# KiCad board SparkFun_GNSS_Flex_Breakout_panelized.kicad_pcb (continued)
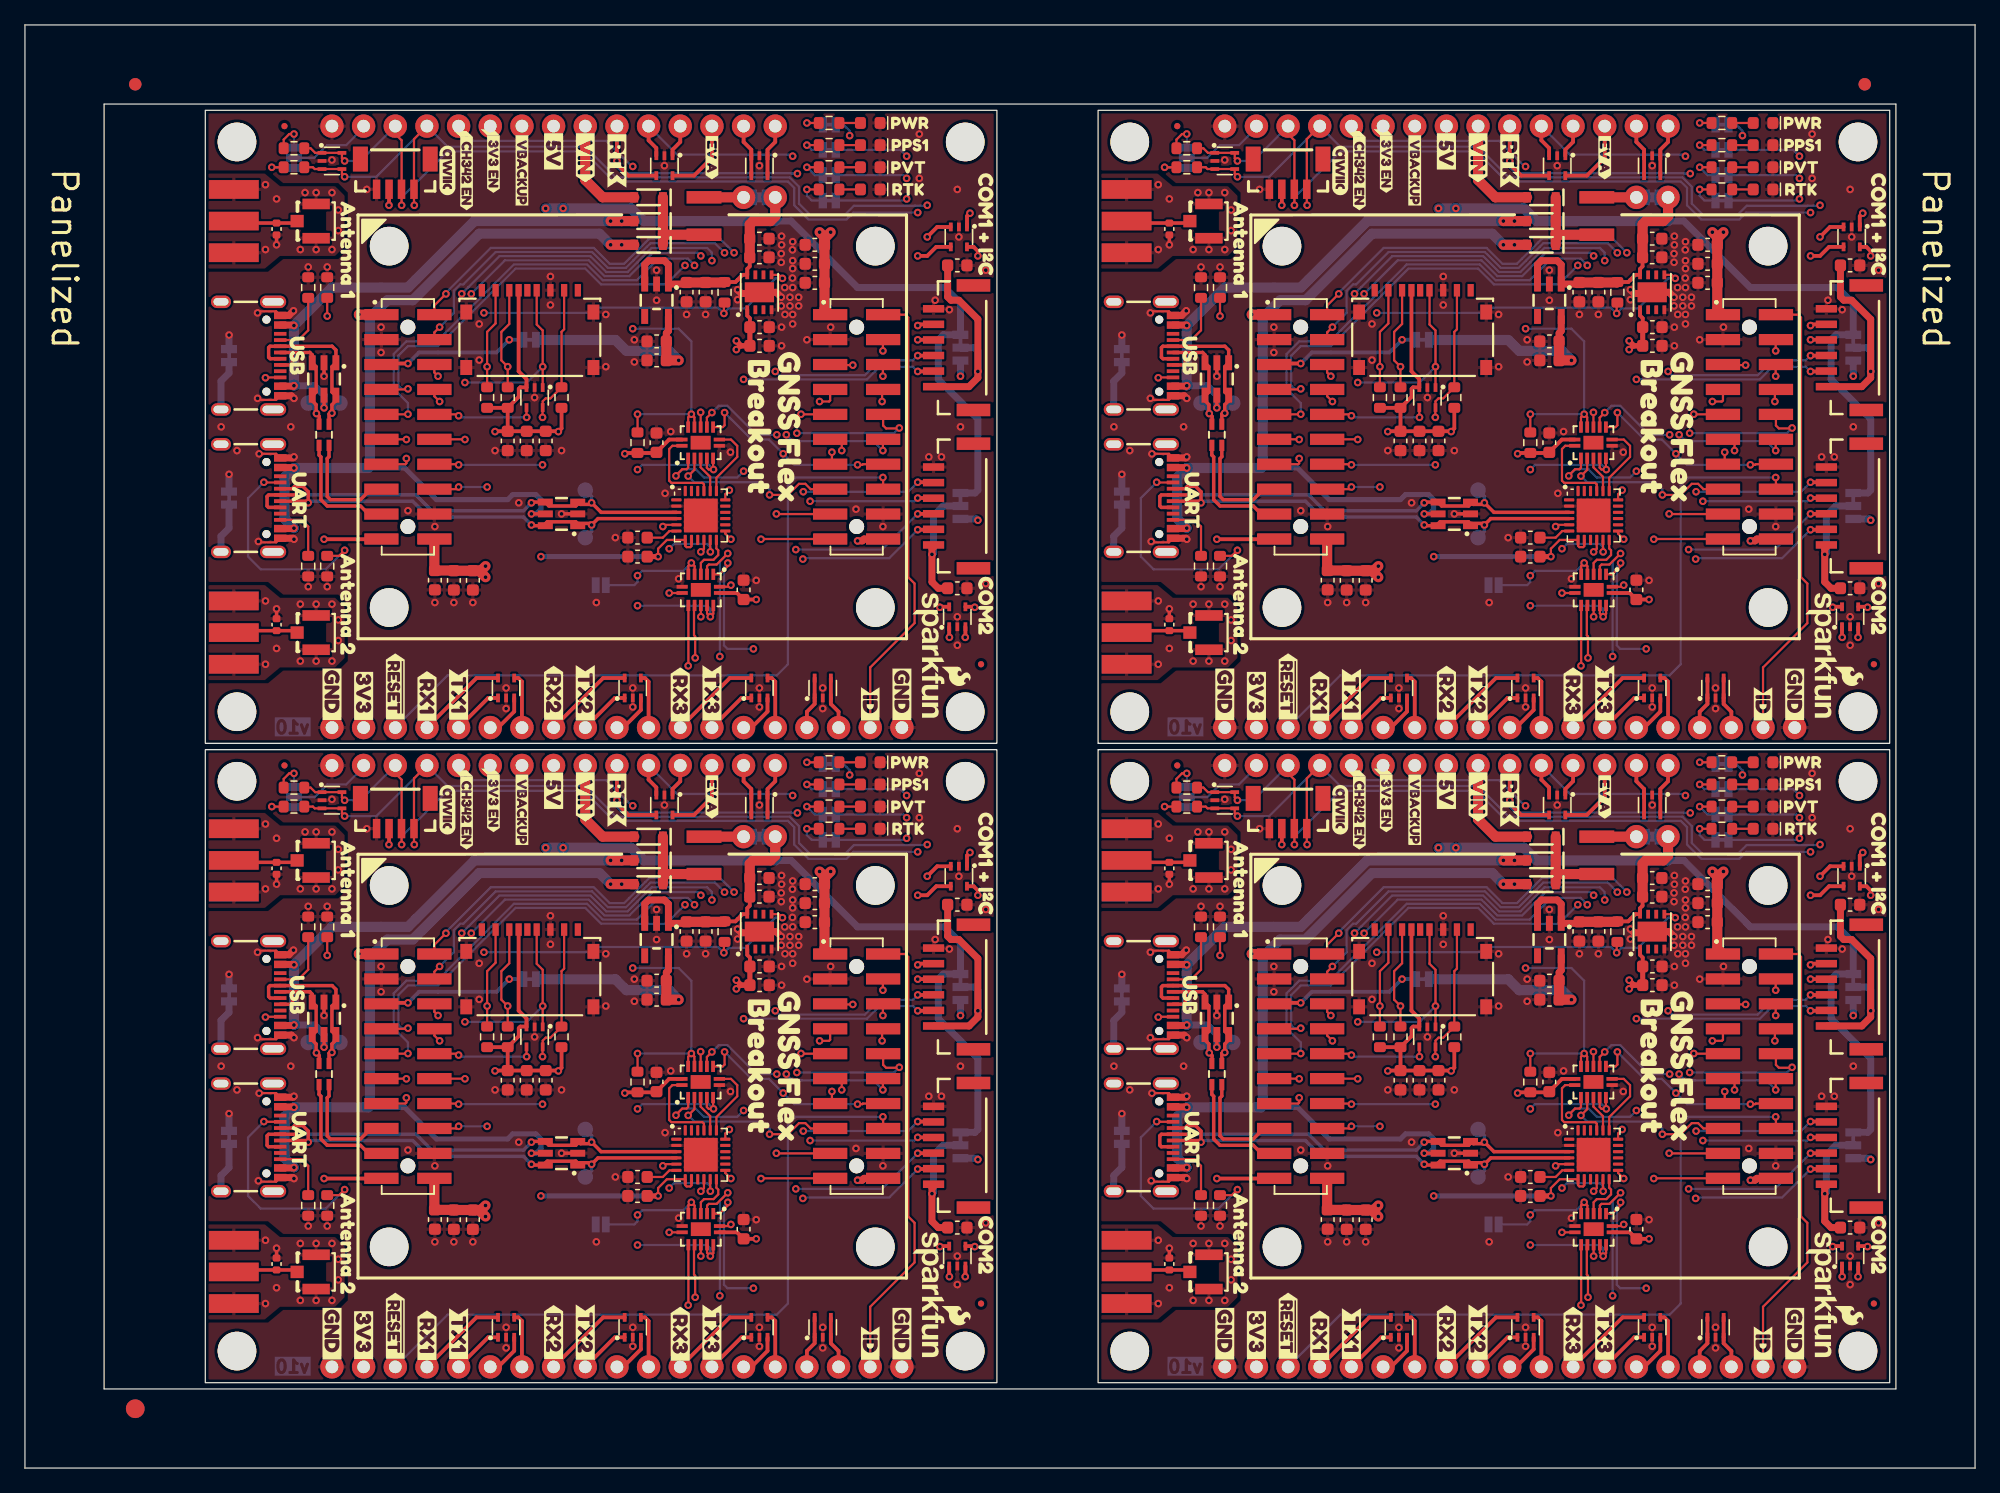
[diagram p0: board, top side]
## Routing (per net, layer and track width the routed paths; a pad name or vN(x,y) marks a point on that pad's centre or on a via; arc(x,y) is an arc through that point) (continued)
VIN: length 35.3
  Top w0.813: D19#2.2 46.35,50.67 44.95,52.06 J3.9 ; D19#3.2 117.97,101.97 116.57,103.36 J3#3.9 ; D19.2 117.97,50.67 116.57,52.06 J3#2.9 ; D19#4.2 46.35,101.97 44.95,103.36 J3#4.9
CH342_EN: length 359.7
  Top w0.178: U5#4.12 54.72,68.57 v1(54.98,68.31) 55.22,68.55 U5#4.13 ; U3#2.12 125.33,33.02 v1(125.08,33.27) 124.83,33.01 U3#2.13 ; U3#3.5 54.71,28.97 54.86,28.82 v1(55.24,28.82) 55.21,28.85 U3#3.6 ; U3#4.5 54.71,80.27 54.86,80.12 v1(55.24,80.12) 55.21,80.15 U3#4.6 ; R5.1 v1(120.76,33.27) ; R5#2.1 v1(120.76,84.57) ; U3.6 126.83,80.15 v1(126.86,80.12) 126.48,80.12 126.33,80.27 U3.5 ; U3#2.5 126.33,28.97 126.48,28.82 v1(126.86,28.82) 126.83,28.85 U3#2.6 ; U5#4.5 53.72,72.37 v1(53.46,72.63) 53.22,72.39 U5#4.6 ; U3.13 124.83,84.31 v1(125.08,84.57) 125.33,84.32 U3.12 ; U3#3.13 53.21,33.01 v1(53.46,33.27) 53.71,33.02 U3#3.12 ; U5#3.12 126.34,17.27 v1(126.6,17.01) 126.84,17.25 U5#3.13 ; U3#4.12 53.71,84.32 v1(53.46,84.57) 53.21,84.31 U3#4.13 ; U5.12 126.34,68.57 v1(126.6,68.31) 126.84,68.55 U5.13 ; R5#4.1 v1(49.14,33.27) ; U5#2.6 53.22,21.09 v1(53.46,21.33) 53.72,21.07 U5#2.5 ; U5#3.6 124.84,21.09 v1(125.08,21.33) 125.34,21.07 U5#3.5 ; U5.5 125.34,72.37 v1(125.08,72.63) 124.84,72.39 U5.6 ; U5#2.13 55.22,17.25 v1(54.98,17.01) 54.72,17.27 U5#2.12 ; R5#3.1 v1(49.14,84.57)
  L3.Cu w0.178: v1(120.76,84.57) v1(120.76,80.12) v1(120.76,71.61) v1(120.76,69.2) ; v1(48.76,40.12) v1(48.76,53.14) ; v1(120.38,40.12) v1(120.38,53.14) ; v1(48.76,91.42) v1(48.76,104.44) ; v1(120.76,17.9) v1(120.76,20.31) v1(120.76,28.82) v1(120.76,33.27) ; v1(120.38,91.42) v1(120.38,104.44) ; v1(49.14,33.27) v1(49.14,28.82) v1(49.14,20.31) v1(49.14,17.9) ; v1(49.14,84.57) v1(49.14,80.12) v1(49.14,71.61) v1(49.14,69.2)
  Bottom w0.178: v1(126.86,28.82) 126.48,29.2 121.14,29.2 v1(120.76,28.82) ; J3.5 35.97,55.2 46.64,55.2 47.7,54.13 47.72,54.13 48.04,53.81 48.04,53.8 48.69,53.14 v1(48.76,53.14) ; v1(120.38,91.42) 124.06,91.42 125.08,90.41 v1(125.08,84.57) v1(120.76,84.57) ; v1(120.38,104.44) 120.31,104.44 119.66,105.1 119.66,105.11 119.34,105.43 119.32,105.43 118.26,106.5 107.59,106.5 J3#3.5 ; CH342_EN.1#4.2 120.51,70.85 120.76,71.1 v1(120.76,71.61) 121.14,71.99 124.44,71.99 v1(125.08,72.63) ; v1(54.98,68.31) 54.98,68.94 54.73,69.2 v1(49.14,69.2) ; CH342_EN.1#3.2 120.51,19.55 120.76,19.8 v1(120.76,20.31) 121.14,20.69 124.44,20.69 v1(125.08,21.33) ; v1(49.14,84.57) v1(53.46,84.57) 53.46,90.41 52.44,91.42 v1(48.76,91.42) ; v1(49.14,28.82) 49.52,29.2 54.86,29.2 v1(55.24,28.82) ; v1(120.76,69.2) 126.35,69.2 126.6,68.94 v1(126.6,68.31) ; v1(120.76,33.27) v1(125.08,33.27) 125.08,39.11 124.06,40.12 v1(120.38,40.12) ; J3#4.5 35.97,106.5 46.64,106.5 47.7,105.43 47.72,105.43 48.04,105.11 48.04,105.1 48.69,104.44 v1(48.76,104.44) ; J3#2.5 107.59,55.2 118.26,55.2 119.32,54.13 119.34,54.13 119.66,53.81 119.66,53.8 120.31,53.14 v1(120.38,53.14) ; v1(49.14,80.12) 49.52,80.5 54.86,80.5 v1(55.24,80.12) ; v1(126.6,17.01) 126.6,17.64 126.35,17.9 v1(120.76,17.9) ; v1(126.86,80.12) 126.48,80.5 121.14,80.5 v1(120.76,80.12) ; v1(48.76,40.12) 52.44,40.12 53.46,39.11 v1(53.46,33.27) v1(49.14,33.27) ; v1(53.46,72.63) 52.82,71.99 49.52,71.99 v1(49.14,71.61) 49.14,71.1 48.89,70.85 CH342_EN.1.2 ; CH342_EN.1#2.2 48.89,19.55 49.14,19.8 v1(49.14,20.31) 49.52,20.69 52.82,20.69 v1(53.46,21.33) ; v1(54.98,17.01) 54.98,17.64 54.73,17.9 v1(49.14,17.9)
CTS1: length 236.2
  Top w0.178: U3#4.9 55.98,83.53 56.13,83.68 v1(56.13,84.69) ; J12#3.14 138.84,80.55 138.8,80.5 v1(138.41,80.5) ; J12.14 67.22,29.25 67.18,29.2 v1(66.79,29.2) ; v1(138.41,29.2) 138.8,29.2 138.84,29.25 J12#4.14 ; U3#2.9 127.6,32.23 127.75,32.38 v1(127.75,33.39) ; U3#3.9 55.98,32.23 56.13,32.38 v1(56.13,33.39) ; U3.9 127.6,83.53 127.75,83.68 v1(127.75,84.69) ; J12#2.14 67.22,80.55 67.18,80.5 v1(66.79,80.5)
  Top w0.305: D13#3.4 39.58,63.39 39.87,63.1 J4#2.7 ; D13#4.4 111.2,63.39 111.49,63.1 J4#3.7 ; J4#4.7 111.49,11.8 111.2,12.09 D13#2.4 ; D13.4 39.58,12.09 39.87,11.8 J4.7
  L3.Cu w0.178: J4#2.7 46.73,66.28 59.56,66.28 60.83,67.55 v1(60.83,81.39) ; v1(132.44,30.09) 132.44,16.25 131.18,14.98 118.35,14.98 J4#4.7 ; J4.7 46.73,14.98 59.56,14.98 60.83,16.25 v1(60.83,30.09) ; J4#3.7 118.35,66.28 131.18,66.28 132.44,67.55 v1(132.44,81.39)
  Bottom w0.178: v1(138.41,80.5) 133.33,80.5 v1(132.44,81.39) 131.3,82.53 129.91,82.53 v1(127.75,84.69) ; v1(56.13,84.69) 58.28,82.53 59.68,82.53 v1(60.83,81.39) 61.71,80.5 v1(66.79,80.5) ; v1(66.79,29.2) 61.71,29.2 v1(60.83,30.09) 59.68,31.23 58.28,31.23 v1(56.13,33.39) ; v1(138.41,29.2) 133.33,29.2 v1(132.44,30.09) 131.3,31.23 129.91,31.23 v1(127.75,33.39)
CTS2: length 283
  Top w0.178: v1(135.37,85.58) 136.13,85.58 136.22,85.67 J12#3.7 ; U5.9 124.84,64.39 v1(124.83,64.37) ; v1(53.21,13.07) 53.22,13.09 U5#2.9 ; 147.06,15.37 v1(147.05,15.36) ; v1(135.37,34.28) 136.13,34.28 136.22,34.37 J12#4.7 ; 144.5,77.84 J5#4.4 ; v1(63.75,85.58) 64.51,85.58 64.59,85.67 J12#2.7 ; v1(63.75,34.28) 64.51,34.28 64.59,34.37 J12.7 ; U5#3.9 124.84,13.09 v1(124.83,13.07) ; 72.88,26.53 J5#2.4 ; v1(53.21,64.37) 53.22,64.39 U5#4.9 ; 147.06,66.67 v1(147.05,66.66) ; 144.5,26.53 J5.4 ; 75.44,15.37 v1(75.43,15.36) ; 72.88,77.84 J5#3.4 ; 75.44,66.67 v1(75.43,66.66)
  Top w0.305: D12#3.4 121.36,12.09 121.65,11.8 J4#4.11 ; D14#3.3 147.06,66.67 ; v1(143.24,77.84) 144.5,77.84 ; D12#4.4 121.36,63.39 121.65,63.1 J4#3.11 ; D12.4 49.74,63.39 50.03,63.1 J4#2.11 ; J4.11 50.03,11.8 49.74,12.09 D12#2.4 ; v1(143.24,26.53) 144.5,26.53 ; D14.3 147.06,15.37 ; v1(71.62,26.53) 72.88,26.53 ; 75.44,67.51 75.44,66.67 ; 75.44,16.21 75.44,15.37 ; v1(71.62,77.84) 72.88,77.84
  L3.Cu w0.178: J4.11 50.03,9.9 v1(53.21,13.07) 53.33,12.95 55.38,12.95 55.38,12.95 56.11,12.94 56.11,12.95 56.13,12.95 56.13,12.94 57.13,12.94 57.14,12.95 59.44,12.95 63.28,16.79 63.28,21.28 63.28,21.28 63.28,22 63.28,22.01 63.28,25.98 v1(62.98,26.28) 62.98,28.69 62.8,28.88 62.8,33.34 v1(63.75,34.28) ; J4#3.11 121.65,61.2 v1(124.83,64.37) 124.95,64.25 127,64.25 127,64.25 127.73,64.24 127.73,64.25 127.75,64.25 127.75,64.24 128.75,64.24 128.76,64.25 131.06,64.25 134.9,68.09 134.9,72.58 134.9,72.58 134.9,73.3 134.9,73.31 134.9,77.28 v1(134.6,77.58) 134.6,79.99 134.42,80.18 134.42,84.64 v1(135.37,85.58) ; v1(135.37,34.28) 134.42,33.34 134.42,28.88 134.6,28.69 v1(134.6,26.28) 134.9,25.98 134.9,22.01 134.9,22 134.9,21.28 134.9,21.28 134.9,16.79 131.06,12.95 128.76,12.95 128.75,12.94 127.75,12.94 127.75,12.95 127.73,12.95 127.73,12.94 127,12.95 127,12.95 124.95,12.95 v1(124.83,13.07) 121.65,9.9 J4#4.11 ; v1(63.75,85.58) 62.8,84.64 62.8,80.18 62.98,79.99 v1(62.98,77.58) 63.28,77.28 63.28,73.31 63.28,73.3 63.28,72.58 63.28,72.58 63.28,68.09 59.44,64.25 57.14,64.25 57.13,64.24 56.13,64.24 56.13,64.25 56.11,64.25 56.11,64.24 55.38,64.25 55.38,64.25 53.33,64.25 v1(53.21,64.37) 50.03,61.2 J4#2.11
  L3.Cu w0.305: v1(143.24,26.53) 143.24,26.15 147.05,22.34 v1(147.05,15.36) ; v1(71.62,26.53) 71.62,26.15 75.43,22.34 v1(75.43,15.36) ; v1(147.05,66.66) 147.05,73.64 143.24,77.45 v1(143.24,77.84) ; v1(71.62,77.84) 71.62,77.45 75.43,73.64 v1(75.43,66.66)
  Bottom w0.178: v1(62.98,26.28) 71.37,26.28 v1(71.62,26.53) ; v1(62.98,77.58) 71.37,77.58 v1(71.62,77.84) ; v1(134.6,26.28) 142.99,26.28 v1(143.24,26.53) ; v1(134.6,77.58) 142.99,77.58 v1(143.24,77.84)
CTS3: length 170.9
  Top w0.178: J12#3.4 140.45,90.53 v1(140.45,89.65) ; v1(68.83,38.35) 68.83,39.23 J12.4 ; v1(140.45,38.35) 140.45,39.23 J12#4.4 ; v1(68.83,89.65) 68.83,90.53 J12#2.4
  Top w0.305: J4.15 60.19,11.8 59.9,12.09 D10#3.4 ; J4#2.15 60.19,63.1 59.9,63.39 D10#2.4 ; D10.4 131.52,63.39 131.81,63.1 J4#3.15 ; D10#4.4 131.52,12.09 131.81,11.8 J4#4.15
  L3.Cu w0.178: v1(140.45,38.35) 141.59,37.2 141.59,34.78 141.59,34.78 141.59,33.78 141.59,33.78 141.59,32.76 141.08,32.25 137.27,32.25 135.75,30.73 135.75,29.56 136.23,29.07 136.23,16.76 136.23,16.21 131.81,11.79 J4#4.15 ; v1(68.83,89.65) 69.97,88.5 69.97,86.08 69.97,86.08 69.97,85.08 69.97,85.08 69.97,84.06 69.46,83.55 65.65,83.55 64.13,82.03 64.13,80.86 64.61,80.37 64.61,68.06 64.61,67.51 60.19,63.09 J4#2.15 ; J4.15 60.19,11.79 64.61,16.21 64.61,16.76 64.61,29.07 64.13,29.56 64.13,30.73 65.65,32.25 69.46,32.25 69.97,32.76 69.97,33.78 69.97,33.78 69.97,34.78 69.97,34.78 69.97,37.2 v1(68.83,38.35) ; J4#3.15 131.81,63.09 136.23,67.51 136.23,68.06 136.23,80.37 135.75,80.86 135.75,82.03 137.27,83.55 141.08,83.55 141.59,84.06 141.59,85.08 141.59,85.08 141.59,86.08 141.59,86.08 141.59,88.5 v1(140.45,89.65)
EVENT_A: length 196
  Top w0.178: v1(104.76,36.31) 104.47,36.61 J11#2.6 ; J11#3.6 104.47,87.91 v1(104.76,87.61) ; J11.6 32.84,36.61 v1(33.14,36.31) ; v1(33.14,87.61) 32.84,87.91 J11#4.6
  Top w0.305: D8#3.5 53.68,103.7 55.11,105.14 J3#4.13 ; J3#2.13 126.73,53.84 125.3,52.41 D8#2.5 ; D8#4.5 53.68,52.41 55.11,53.84 J3.13 ; J3#3.13 126.73,105.14 125.3,103.7 D8.5
  L3.Cu w0.178: v1(35.04,42.92) 33.9,41.79 33.9,37.08 v1(33.14,36.31) ; v1(104.76,87.61) 105.52,88.38 105.52,93.09 v1(106.66,94.22) ; J3#2.13 126.73,46.47 126.72,46.46 126.72,45.6 v1(126.73,45.59) ; v1(35.04,94.22) 33.9,93.09 33.9,88.38 v1(33.14,87.61) ; J3#3.13 126.73,97.77 126.72,97.76 126.72,96.9 v1(126.73,96.89) ; v1(106.66,42.92) 105.52,41.79 105.52,37.08 v1(104.76,36.31) ; v1(55.11,45.59) 55.1,45.6 55.1,46.46 55.11,46.47 J3.13 ; J3#4.13 55.11,97.77 55.1,97.76 55.1,96.9 v1(55.11,96.89)
  Bottom w0.178: v1(126.73,96.89) 126.72,96.9 126.72,97.53 126.35,97.9 121.9,97.9 121.66,97.66 121.65,97.66 120.75,96.76 120.75,96.75 119.97,95.97 118.25,95.97 116.98,97.24 109.68,97.24 107.2,94.77 v1(106.66,94.22) ; v1(55.11,45.59) 55.1,45.6 55.1,46.23 54.73,46.6 50.28,46.6 50.04,46.36 50.03,46.36 49.13,45.46 49.13,45.45 48.35,44.67 46.63,44.67 45.36,45.94 38.06,45.94 35.58,43.47 v1(35.04,42.92) ; v1(35.04,94.22) 35.26,94.44 38.06,97.24 45.36,97.24 46.63,95.97 48.35,95.97 49.13,96.75 49.13,96.76 50.03,97.66 50.04,97.66 50.28,97.9 54.73,97.9 55.1,97.53 55.1,96.9 v1(55.11,96.89) ; v1(126.73,45.59) 126.72,45.6 126.72,46.23 126.35,46.6 121.9,46.6 121.66,46.36 121.65,46.36 120.75,45.46 120.75,45.45 119.97,44.67 118.25,44.67 116.98,45.94 109.68,45.94 107.2,43.47 v1(106.66,42.92)
EVENT_B: length 182
  Top w0.178: J11.8 32.84,34.7 v1(33.27,34.28) ; v1(104.89,34.28) 104.47,34.7 J11#2.8 ; J11#3.8 104.47,86 v1(104.89,85.58) ; J11#4.8 32.84,86 v1(33.27,85.58)
  Top w0.305: D8#3.1 51.95,105.79 52.57,106.41 J3#4.12 ; J3#2.12 124.19,55.11 123.57,54.49 D8#2.1 ; J3.12 52.57,55.11 51.95,54.49 D8#4.1 ; D8.1 123.57,105.79 124.19,106.41 J3#3.12
  L3.Cu w0.178: J3#2.12 125.59,54.98 125.59,46.22 v1(125.84,45.97) ; v1(107.43,42.92) 105.9,41.39 105.9,35.3 v1(104.89,34.28) ; J3.12 53.97,54.98 53.97,46.22 v1(54.22,45.97) ; J3#4.12 53.97,106.28 53.97,97.52 v1(54.22,97.27) ; J3#3.12 125.59,106.28 125.59,97.52 v1(125.84,97.27) ; v1(107.43,94.22) 105.9,92.69 105.9,86.6 v1(104.89,85.58) ; v1(35.81,94.22) 34.28,92.69 34.28,86.6 v1(33.27,85.58) ; v1(33.27,34.28) 34.28,35.3 34.28,41.39 v1(35.81,42.92)
  Bottom w0.178: v1(107.43,42.92) 110.12,45.61 116.84,45.61 118.11,44.34 120.11,44.34 121.08,45.32 121.08,45.32 121.79,46.03 121.8,46.03 121.98,46.22 125.59,46.22 v1(125.84,45.97) ; v1(54.22,45.97) 53.97,46.22 50.36,46.22 50.18,46.03 50.17,46.03 49.46,45.32 49.46,45.32 48.49,44.34 46.49,44.34 45.22,45.61 38.5,45.61 v1(35.81,42.92) ; v1(107.43,94.22) 110.12,96.91 116.84,96.91 118.11,95.64 120.11,95.64 121.08,96.62 121.08,96.62 121.79,97.33 121.8,97.33 121.98,97.52 125.59,97.52 v1(125.84,97.27) ; v1(54.22,97.27) 53.97,97.52 50.36,97.52 50.18,97.33 50.17,97.33 49.46,96.62 49.46,96.62 48.49,95.64 46.49,95.64 45.22,96.91 38.5,96.91 v1(35.81,94.22)
ID: length 146.8
  Top w0.178: J12#4.2 142.24,41.25 142.48,41.01 142.48,20.19 142.99,19.68 142.99,16.5 139.43,12.95 J4#4.18 ; J12#2.2 70.62,92.55 70.86,92.31 70.86,71.48 71.37,70.98 71.37,67.8 67.81,64.25 J4#2.18 ; J4.18 67.81,12.95 71.37,16.5 71.37,19.68 70.86,20.19 70.86,41.01 70.62,41.25 J12.2 ; J12#3.2 142.24,92.55 142.48,92.31 142.48,71.48 142.99,70.98 142.99,67.8 139.43,64.25 J4#3.18
PPS1: length 249.7
  Top w0.178: J11#3.2 104.47,93.29 v1(105.39,94.22) ; J11.2 32.84,41.99 v1(33.77,42.92) ; J11#2.2 104.47,41.99 v1(105.39,42.92) ; J11#4.2 32.84,93.29 v1(33.77,94.22)
  Top w0.305: J3#2.15 131.81,55.11 131.19,54.49 D7#4.1 D7#4.5 ; D7.5 D7.1 59.57,105.79 60.19,106.41 J3#4.15 ; D7#2.5 D7#2.1 59.57,54.49 60.19,55.11 J3.15 ; J3#3.15 131.81,106.41 131.19,105.79 D7#3.1 D7#3.5
  L3.Cu w0.178: v1(142.35,105.27) 142.01,105.61 133.88,105.61 J3#3.15 127.75,103.62 127.75,98.28 v1(128.51,97.52) ; v1(128.51,46.22) 127.75,46.98 127.75,52.32 J3#2.15 133.88,54.31 142.01,54.31 v1(142.35,53.97) ; v1(56.89,97.52) 56.13,98.28 56.13,103.62 J3#4.15 62.26,105.61 70.39,105.61 v1(70.73,105.27) ; v1(70.73,53.97) 70.39,54.31 62.26,54.31 J3.15 56.13,52.32 56.13,46.98 v1(56.89,46.22)
  Bottom w0.178: v1(105.39,94.22) 105.39,94.31 108.99,97.91 117.26,97.91 118.53,96.64 119.69,96.64 120.09,97.04 121.38,98.33 121.38,98.33 121.72,98.66 127.37,98.66 127.97,98.06 127.97,98.06 128.29,97.74 128.29,97.74 v1(128.51,97.52) ; v1(33.77,42.92) 33.77,43.01 37.37,46.61 45.64,46.61 46.91,45.34 48.07,45.34 48.47,45.74 49.76,47.03 49.76,47.03 50.1,47.36 55.75,47.36 56.35,46.76 56.35,46.76 56.67,46.44 56.67,46.44 v1(56.89,46.22) ; v1(128.51,46.22) 128.29,46.44 128.29,46.44 127.97,46.76 127.97,46.76 127.37,47.36 121.72,47.36 121.38,47.03 121.38,47.03 119.69,45.34 118.53,45.34 117.26,46.61 108.99,46.61 105.39,43.01 v1(105.39,42.92) ; v1(142.35,53.97) 141.84,54.48 PPS1#4.2 ; v1(70.73,53.97) 70.22,54.48 PPS1.2 ; PPS1#2.2 70.22,105.78 v1(70.73,105.27) ; v1(56.89,97.52) 56.67,97.74 56.67,97.74 56.35,98.06 56.35,98.06 55.75,98.66 50.1,98.66 49.76,98.33 49.76,98.33 48.07,96.64 46.91,96.64 45.64,97.91 37.37,97.91 33.77,94.31 v1(33.77,94.22) ; PPS1#3.2 141.84,105.78 v1(142.35,105.27)
PPS2: length 178.3
  Top w0.178: J11.4 32.84,39.83 v1(33.27,40.25) ; J11#4.4 32.84,91.13 v1(33.27,91.55) ; v1(104.89,91.55) 104.47,91.13 J11#3.4 ; J11#2.4 104.47,39.83 v1(104.89,40.25)
  Top w0.305: D7.4 D7.3 58.27,105.79 57.65,106.41 J3#4.14 ; D7#4.4 D7#4.3 129.89,54.49 129.27,55.11 J3#2.14 ; D7#3.4 D7#3.3 129.89,105.79 129.27,106.41 J3#3.14 ; D7#2.4 D7#2.3 58.27,54.49 57.65,55.11 J3.14
  L3.Cu w0.178: v1(127.74,46.21) 127.37,46.59 127.37,54.48 J3#2.14 ; J3.14 55.75,54.48 55.75,46.59 v1(56.12,46.21) ; v1(127.74,97.51) 127.37,97.89 127.37,105.78 J3#3.14 ; J3#4.14 55.75,105.78 55.75,97.89 v1(56.12,97.51)
  Bottom w0.178: v1(104.89,91.55) 106.03,92.69 106.03,94.47 106.54,94.98 106.79,94.98 109.39,97.57 117.12,97.57 118.39,96.3 119.83,96.3 120.42,96.89 120.42,96.9 121.51,97.99 121.52,97.99 121.81,98.28 126.97,98.28 v1(127.74,97.51) ; v1(56.12,97.51) 55.35,98.28 50.19,98.28 49.9,97.99 49.89,97.99 48.8,96.9 48.8,96.89 48.21,96.3 46.77,96.3 45.5,97.57 37.77,97.57 35.17,94.98 34.92,94.98 34.41,94.47 34.41,92.69 v1(33.27,91.55) ; v1(104.89,40.25) 106.03,41.39 106.03,43.17 106.54,43.68 106.79,43.68 109.39,46.27 117.12,46.27 118.39,45 119.83,45 120.42,45.59 120.42,45.6 121.51,46.69 121.52,46.69 121.81,46.98 126.97,46.98 v1(127.74,46.21) ; v1(33.27,40.25) 34.41,41.39 34.41,43.17 34.92,43.68 35.17,43.68 37.77,46.27 45.5,46.27 46.77,45 48.21,45 48.8,45.59 48.8,45.6 49.89,46.69 49.9,46.69 50.19,46.98 55.35,46.98 v1(56.12,46.21)
PVT_LED: length 319.3
  Top w0.178: v1(102.35,33.27) 102.33,33.25 J11#2.9 ; v1(102.35,84.57) 102.33,84.55 J11#3.9 ; J11#4.9 30.71,84.55 v1(30.73,84.57) ; J11.9 30.71,33.25 v1(30.73,33.27)
  Top w0.305: J3#3.11 121.65,106.54 122.27,105.92 D8.3 ; J3.11 50.03,55.24 50.65,54.62 D8#4.3 ; J3#2.11 121.65,55.24 122.27,54.62 D8#2.3 ; J3#4.11 50.03,106.54 50.65,105.92 D8#3.3
  L3.Cu w0.178: J3#3.11 122.03,107.68 124.82,104.89 124.82,97.03 125.12,96.73 125.12,96.72 v1(125.33,96.5) ; J3.11 50.41,56.38 53.2,53.59 53.2,45.73 53.5,45.43 53.5,45.42 v1(53.71,45.2) ; J3#2.11 122.03,56.38 124.82,53.59 124.82,45.73 125.12,45.43 125.12,45.42 v1(125.33,45.2) ; v1(133.21,53.97) 140.57,53.97 v1(142.35,52.19) ; v1(70.73,52.19) 68.95,53.97 v1(61.59,53.97) ; v1(133.21,105.27) 140.57,105.27 v1(142.35,103.49) ; J3#4.11 50.41,107.68 53.2,104.89 53.2,97.03 53.5,96.73 53.5,96.72 v1(53.71,96.5) ; v1(61.59,105.27) 68.95,105.27 v1(70.73,103.49)
  Bottom w0.178: v1(142.35,52.19) 142.1,52.44 PVT1.2 ; J3.11 52.32,54.09 61.46,54.09 v1(61.59,53.97) ; v1(133.21,53.97) 133.08,54.09 123.94,54.09 J3#2.11 ; v1(61.59,105.27) 61.46,105.39 52.32,105.39 J3#4.11 ; PVT1#3.2 70.48,52.44 v1(70.73,52.19) ; J3#3.11 123.94,105.39 133.08,105.39 v1(133.21,105.27) ; v1(53.71,96.5) 53.5,96.72 53.5,96.73 53.18,97.05 50.82,97.05 49.08,95.31 46.36,95.31 45.09,96.58 39.22,96.58 33.05,90.41 30.6,90.41 29.58,89.39 29.58,86.6 30.73,85.46 v1(30.73,84.57) ; v1(102.35,84.57) 102.35,85.46 101.2,86.6 101.2,89.39 102.22,90.41 104.67,90.41 110.84,96.58 116.71,96.58 117.98,95.31 120.7,95.31 122.44,97.05 124.8,97.05 125.12,96.73 125.12,96.72 v1(125.33,96.5) ; PVT1#4.2 142.1,103.74 v1(142.35,103.49) ; v1(53.71,45.2) 53.5,45.42 53.5,45.43 53.18,45.75 50.82,45.75 49.08,44.01 46.36,44.01 45.09,45.28 39.22,45.28 33.05,39.11 30.6,39.11 29.58,38.09 29.58,35.3 30.73,34.16 v1(30.73,33.27) ; v1(70.73,103.49) 70.48,103.74 PVT1#2.2 ; v1(125.33,45.2) 125.12,45.42 125.12,45.43 124.8,45.75 122.44,45.75 120.7,44.01 117.98,44.01 116.71,45.28 110.84,45.28 104.67,39.11 102.22,39.11 101.2,38.09 101.2,35.3 102.35,34.16 v1(102.35,33.27)
RTK_LED: length 343.1
  Top w0.178: v1(102.35,86.6) 102.3,86.55 J11#3.7 ; v1(102.35,35.3) 102.3,35.25 J11#2.7 ; v1(30.73,86.6) 30.68,86.55 J11#4.7 ; J11.7 30.68,35.25 v1(30.73,35.3)
  Top w0.305: D8#3.4 48.42,103.7 47.49,104.63 v1(47.49,104.89) J3#4.10 ; J3#3.10 v1(119.11,104.89) 119.11,104.63 120.04,103.7 D8.4 ; D8#4.4 48.42,52.41 47.49,53.33 v1(47.49,53.59) J3.10 ; D8#2.4 120.04,52.41 119.11,53.33 v1(119.11,53.59) J3#2.10
  L3.Cu w0.178: v1(124.57,45.2) 124.19,45.59 124.19,53.59 122.79,54.98 120.51,54.98 J3#2.10 ; v1(133.59,52.57) 133.59,53.2 134.02,53.64 139.51,53.64 142.35,50.79 v1(142.35,50.54) ; J3.10 48.89,54.98 51.17,54.98 52.57,53.59 52.57,45.59 v1(52.95,45.2) ; J3#3.10 120.51,106.28 122.79,106.28 124.19,104.89 124.19,96.89 v1(124.57,96.5) ; v1(142.35,101.84) 142.35,102.09 139.51,104.94 134.02,104.94 133.59,104.5 v1(133.59,103.87) ; v1(52.95,96.5) 52.57,96.89 52.57,104.89 51.17,106.28 48.89,106.28 J3#4.10 ; v1(70.73,101.84) 70.73,102.09 67.89,104.94 62.4,104.94 61.97,104.5 v1(61.97,103.87) ; v1(61.97,52.57) 61.97,53.2 62.4,53.64 67.89,53.64 70.73,50.79 v1(70.73,50.54)
  Bottom w0.178: v1(124.57,45.2) 123.05,43.68 117.84,43.68 116.57,44.95 110.98,44.95 104.76,38.73 102.35,38.73 101.58,37.97 101.58,35.55 101.84,35.3 v1(102.35,35.3) ; v1(70.73,101.84) 70.6,101.71 RTK1#4.2 ; RTK1.2 142.22,50.41 v1(142.35,50.54) ; v1(47.49,53.59) 47.49,53.08 47.97,52.6 61.48,52.6 61.51,52.57 v1(61.97,52.57) ; v1(119.11,53.59) 119.11,53.08 119.59,52.6 133.1,52.6 133.13,52.57 v1(133.59,52.57) ; v1(52.95,45.2) 51.43,43.68 46.22,43.68 44.95,44.95 39.36,44.95 33.14,38.73 30.73,38.73 29.96,37.97 29.96,35.55 30.22,35.3 v1(30.73,35.3) ; v1(142.35,101.84) 142.22,101.71 RTK1#3.2 ; v1(30.73,86.6) 30.22,86.6 29.96,86.85 29.96,89.27 30.73,90.03 33.14,90.03 39.36,96.25 44.95,96.25 46.22,94.98 51.43,94.98 v1(52.95,96.5) ; v1(47.49,104.89) 47.49,104.38 47.97,103.9 61.48,103.9 61.51,103.87 v1(61.97,103.87) ; RTK1#2.2 70.6,50.41 v1(70.73,50.54) ; v1(119.11,104.89) 119.11,104.38 119.59,103.9 133.1,103.9 133.13,103.87 v1(133.59,103.87) ; v1(124.57,96.5) 123.05,94.98 117.84,94.98 116.57,96.25 110.98,96.25 104.76,90.03 102.35,90.03 101.58,89.27 101.58,86.85 101.84,86.6 v1(102.35,86.6)
RTS1: length 230.1
  Top w0.178: J12#3.17 132.01,76.55 132,76.56 v1(131.9,76.56) ; v1(60.28,25.27) 60.38,25.27 60.39,25.25 J12.17 ; v1(131.9,25.27) 132,25.27 132.01,25.25 J12#4.17 ; v1(60.28,76.56) 60.38,76.56 60.39,76.55 J12#2.17 ; U3#2.10 126.33,32.99 v1(126.73,33.39) ; v1(126.73,84.69) 126.33,84.29 U3.10 ; v1(55.11,33.39) 54.71,32.99 U3#3.10 ; U3#4.10 54.71,84.29 v1(55.11,84.69)
  Top w0.305: D13.3 39.25,9.41 37.97,8.12 J4.6 ; J4#2.6 37.97,59.42 39.25,60.7 D13#3.3 ; D13#4.3 110.87,60.7 109.59,59.42 J4#3.6 ; J4#4.6 109.59,8.12 110.87,9.41 D13#2.3
  L3.Cu w0.178: v1(60.32,31.62) 60.28,31.58 v1(60.28,25.27) 60.28,25.14 60.49,24.92 60.49,16.39 59.47,15.36 45.2,15.36 37.97,8.12 J4.6 ; v1(131.94,82.91) 131.9,82.88 v1(131.9,76.56) 131.9,76.44 132.11,76.22 132.11,67.69 131.09,66.66 116.82,66.66 109.59,59.42 J4#3.6 ; v1(60.32,82.91) 60.28,82.88 v1(60.28,76.56) 60.28,76.44 60.49,76.22 60.49,67.69 59.47,66.66 45.2,66.66 37.97,59.42 J4#2.6 ; v1(131.94,31.62) 131.9,31.58 v1(131.9,25.27) 131.9,25.14 132.11,24.92 132.11,16.39 131.09,15.36 116.82,15.36 109.59,8.12 J4#4.6
  Bottom w0.178: v1(55.11,33.39) 55.66,33.94 56.35,33.94 58.41,31.88 58.41,31.87 58.67,31.62 v1(60.32,31.62) ; v1(131.94,31.62) 130.29,31.62 130.03,31.87 130.03,31.88 127.97,33.94 127.28,33.94 v1(126.73,33.39) ; v1(55.11,84.69) 55.66,85.24 56.35,85.24 58.41,83.18 58.41,83.17 58.67,82.91 v1(60.32,82.91) ; v1(126.73,84.69) 127.28,85.24 127.97,85.24 130.03,83.18 130.03,83.17 130.29,82.91 v1(131.94,82.91)
RTS2: length 280.1
  Top w0.178: 144.48,79.11 J5#4.5 ; v1(133.88,33.27) 133.89,33.25 J12#4.9 ; U5.10 125.29,69.17 125.29,66.83 125.39,66.73 v1(125.39,65.01) ; J12#3.9 133.89,84.55 v1(133.88,84.57) ; v1(125.39,13.71) 125.39,15.43 125.29,15.53 125.29,17.87 U5#3.10 ; 76.15,17.81 v1(76.19,17.77) ; 144.48,27.81 J5.5 ; 72.86,79.11 J5#3.5 ; 147.77,17.81 v1(147.81,17.77) ; v1(62.26,84.57) 62.27,84.55 J12#2.9 ; v1(62.26,33.27) 62.27,33.25 J12.9 ; U5#2.10 53.67,17.87 53.67,15.53 53.77,15.43 v1(53.77,13.71) ; 72.86,27.81 J5#2.5 ; 76.15,69.11 v1(76.19,69.07) ; 147.77,69.11 v1(147.81,69.07) ; v1(53.77,65.01) 53.77,66.73 53.67,66.83 53.67,69.17 U5#4.10
  Top w0.305: D12.3 49.41,60.83 48,59.42 J4#2.10 ; D14.4 147.77,17.81 ; D12#3.3 121.03,9.53 119.62,8.12 J4#4.10 ; D12#4.3 121.03,60.83 119.62,59.42 J4#3.10 ; 75.44,69.11 76.15,69.11 ; v1(143.24,79.11) 144.48,79.11 ; v1(71.62,27.81) 72.86,27.81 ; v1(143.24,27.81) 144.48,27.81 ; D14#3.4 147.77,69.11 ; D12#2.3 49.41,9.53 48,8.12 J4.10 ; 75.44,17.81 76.15,17.81 ; v1(71.62,79.11) 72.86,79.11
  L3.Cu w0.178: 143.25,27.81 v1(143.24,27.81) ; 71.63,27.81 v1(71.62,27.81) ; v1(62.26,84.57) 62.47,84.35 62.47,78.46 62.44,78.43 v1(62.44,78.34) 62.44,78.34 62.44,77.35 62.95,76.84 62.95,73.17 62.95,72.71 62.95,72.71 62.95,68.23 59.3,64.58 57,64.58 57,64.58 56.27,64.58 56.27,64.58 55.97,64.58 55.97,64.58 55.52,64.58 55.52,64.58 54.2,64.58 v1(53.77,65.01) 53.59,65.01 53.46,64.89 53.43,64.92 52.98,64.92 52.66,64.6 52.66,64.29 49.7,61.34 49.7,61.12 48,59.42 J4#2.10 ; v1(62.26,33.27) 62.47,33.05 62.47,27.16 62.44,27.13 v1(62.44,27.04) 62.44,27.04 62.44,26.05 62.95,25.54 62.95,21.87 62.95,21.41 62.95,21.41 62.95,16.93 59.3,13.28 57,13.28 57,13.28 56.27,13.28 56.27,13.28 55.97,13.28 55.97,13.28 55.52,13.28 55.52,13.28 54.2,13.28 v1(53.77,13.71) 53.59,13.71 53.46,13.59 53.43,13.62 52.98,13.62 52.66,13.3 52.66,12.99 49.7,10.04 49.7,9.82 48,8.12 J4.10 ; v1(133.88,33.27) 134.09,33.05 134.09,27.16 134.06,27.13 v1(134.06,27.04) 134.06,27.04 134.06,26.05 134.57,25.54 134.57,21.87 134.57,21.41 134.57,21.41 134.57,16.93 130.92,13.28 128.62,13.28 128.62,13.28 127.89,13.28 127.89,13.28 127.59,13.28 127.59,13.28 127.14,13.28 127.14,13.28 125.82,13.28 v1(125.39,13.71) 125.21,13.71 125.08,13.59 125.05,13.62 124.6,13.62 124.28,13.3 124.28,12.99 121.32,10.04 121.32,9.82 119.62,8.12 J4#4.10 ; 71.63,79.11 v1(71.62,79.11) ; v1(133.88,84.57) 134.09,84.35 134.09,78.46 134.06,78.43 v1(134.06,78.34) 134.06,78.34 134.06,77.35 134.57,76.84 134.57,73.17 134.57,72.71 134.57,72.71 134.57,68.23 130.92,64.58 128.62,64.58 128.62,64.58 127.89,64.58 127.89,64.58 127.59,64.58 127.59,64.58 127.14,64.58 127.14,64.58 125.82,64.58 v1(125.39,65.01) 125.21,65.01 125.08,64.89 125.05,64.92 124.6,64.92 124.28,64.6 124.28,64.29 121.32,61.34 121.32,61.12 119.62,59.42 J4#3.10 ; 143.25,79.11 v1(143.24,79.11)
  L3.Cu w0.305: 143.25,79.11 147.81,74.54 v1(147.81,69.07) ; v1(76.19,69.07) 76.19,74.54 71.63,79.11 ; 143.25,27.81 147.81,23.24 v1(147.81,17.77) ; 71.63,27.81 76.19,23.24 v1(76.19,17.77)
  Bottom w0.178: v1(62.44,78.34) 70.86,78.34 v1(71.62,79.11) ; v1(134.06,78.34) 142.48,78.34 v1(143.24,79.11) ; v1(71.62,27.81) 70.86,27.04 v1(62.44,27.04) ; v1(143.24,27.81) 142.48,27.04 v1(134.06,27.04)
RTS3: length 181.6
  Top w0.178: v1(138.03,88.5) 136.26,88.5 J12#3.5 ; J12#4.5 136.26,37.2 v1(138.03,37.2) ; J12.5 64.64,37.2 v1(66.41,37.2) ; J12#2.5 64.64,88.5 v1(66.41,88.5)
  Top w0.305: J4#3.14 129.91,59.42 131.19,60.7 D10.3 ; J4#4.14 129.91,8.12 131.19,9.41 D10#4.3 ; J4.14 58.28,8.12 59.57,9.41 D10#3.3 ; D10#2.3 59.57,60.7 58.28,59.42 J4#2.14
  L3.Cu w0.178: J4#4.14 129.91,8.12 131.3,9.52 131.3,11.76 135.9,16.35 135.9,16.62 135.9,28.94 135.42,29.42 135.42,30.86 137.13,32.58 140.94,32.58 141.26,32.9 141.26,33.92 141.26,36.77 140.83,37.2 v1(138.03,37.2) ; v1(66.41,37.2) 69.21,37.2 69.64,36.77 69.64,34.65 69.64,32.9 69.32,32.58 65.51,32.58 63.8,30.86 63.8,29.42 64.28,28.94 64.28,16.35 59.68,11.76 59.68,9.52 58.28,8.12 J4.14 ; J4#2.14 58.28,59.42 59.68,60.82 59.68,63.06 64.28,67.65 64.28,67.92 64.28,80.24 63.8,80.72 63.8,82.16 65.51,83.88 69.32,83.88 69.64,84.2 69.64,85.22 69.64,88.07 69.21,88.5 v1(66.41,88.5) ; v1(138.03,88.5) 140.83,88.5 141.26,88.07 141.26,85.95 141.26,84.2 140.94,83.88 137.13,83.88 135.42,82.16 135.42,80.72 135.9,80.24 135.9,67.65 131.3,63.06 131.3,60.82 129.91,59.42 J4#3.14
RX1: length 404.2
  Top w0.178: U3#4.2 53.21,80.27 53.08,80.15 52.72,80.15 52.23,79.65 v1(52.23,79.61) ; v1(52.23,28.31) 52.23,28.35 52.72,28.85 53.08,28.85 53.21,28.97 U3#3.2 ; v1(130.67,74.53) 130.68,74.55 J12#3.19 ; v1(123.85,79.61) 123.85,79.65 124.34,80.15 124.7,80.15 124.83,80.27 U3.2 ; J12.19 59.06,23.25 v1(59.05,23.23) ; 144.48,36.7 J13#2.2 ; v1(130.67,23.23) 130.68,23.25 J12#4.19 ; J12#2.19 59.06,74.55 v1(59.05,74.53) ; 144.48,88 J13#4.2 ; 72.86,88 J13.2 ; 72.86,36.7 J13#3.2 ; v1(123.85,28.31) 123.85,28.35 124.34,28.85 124.7,28.85 124.83,28.97 U3#2.2